# KiCad board PA24-1.kicad_pcb
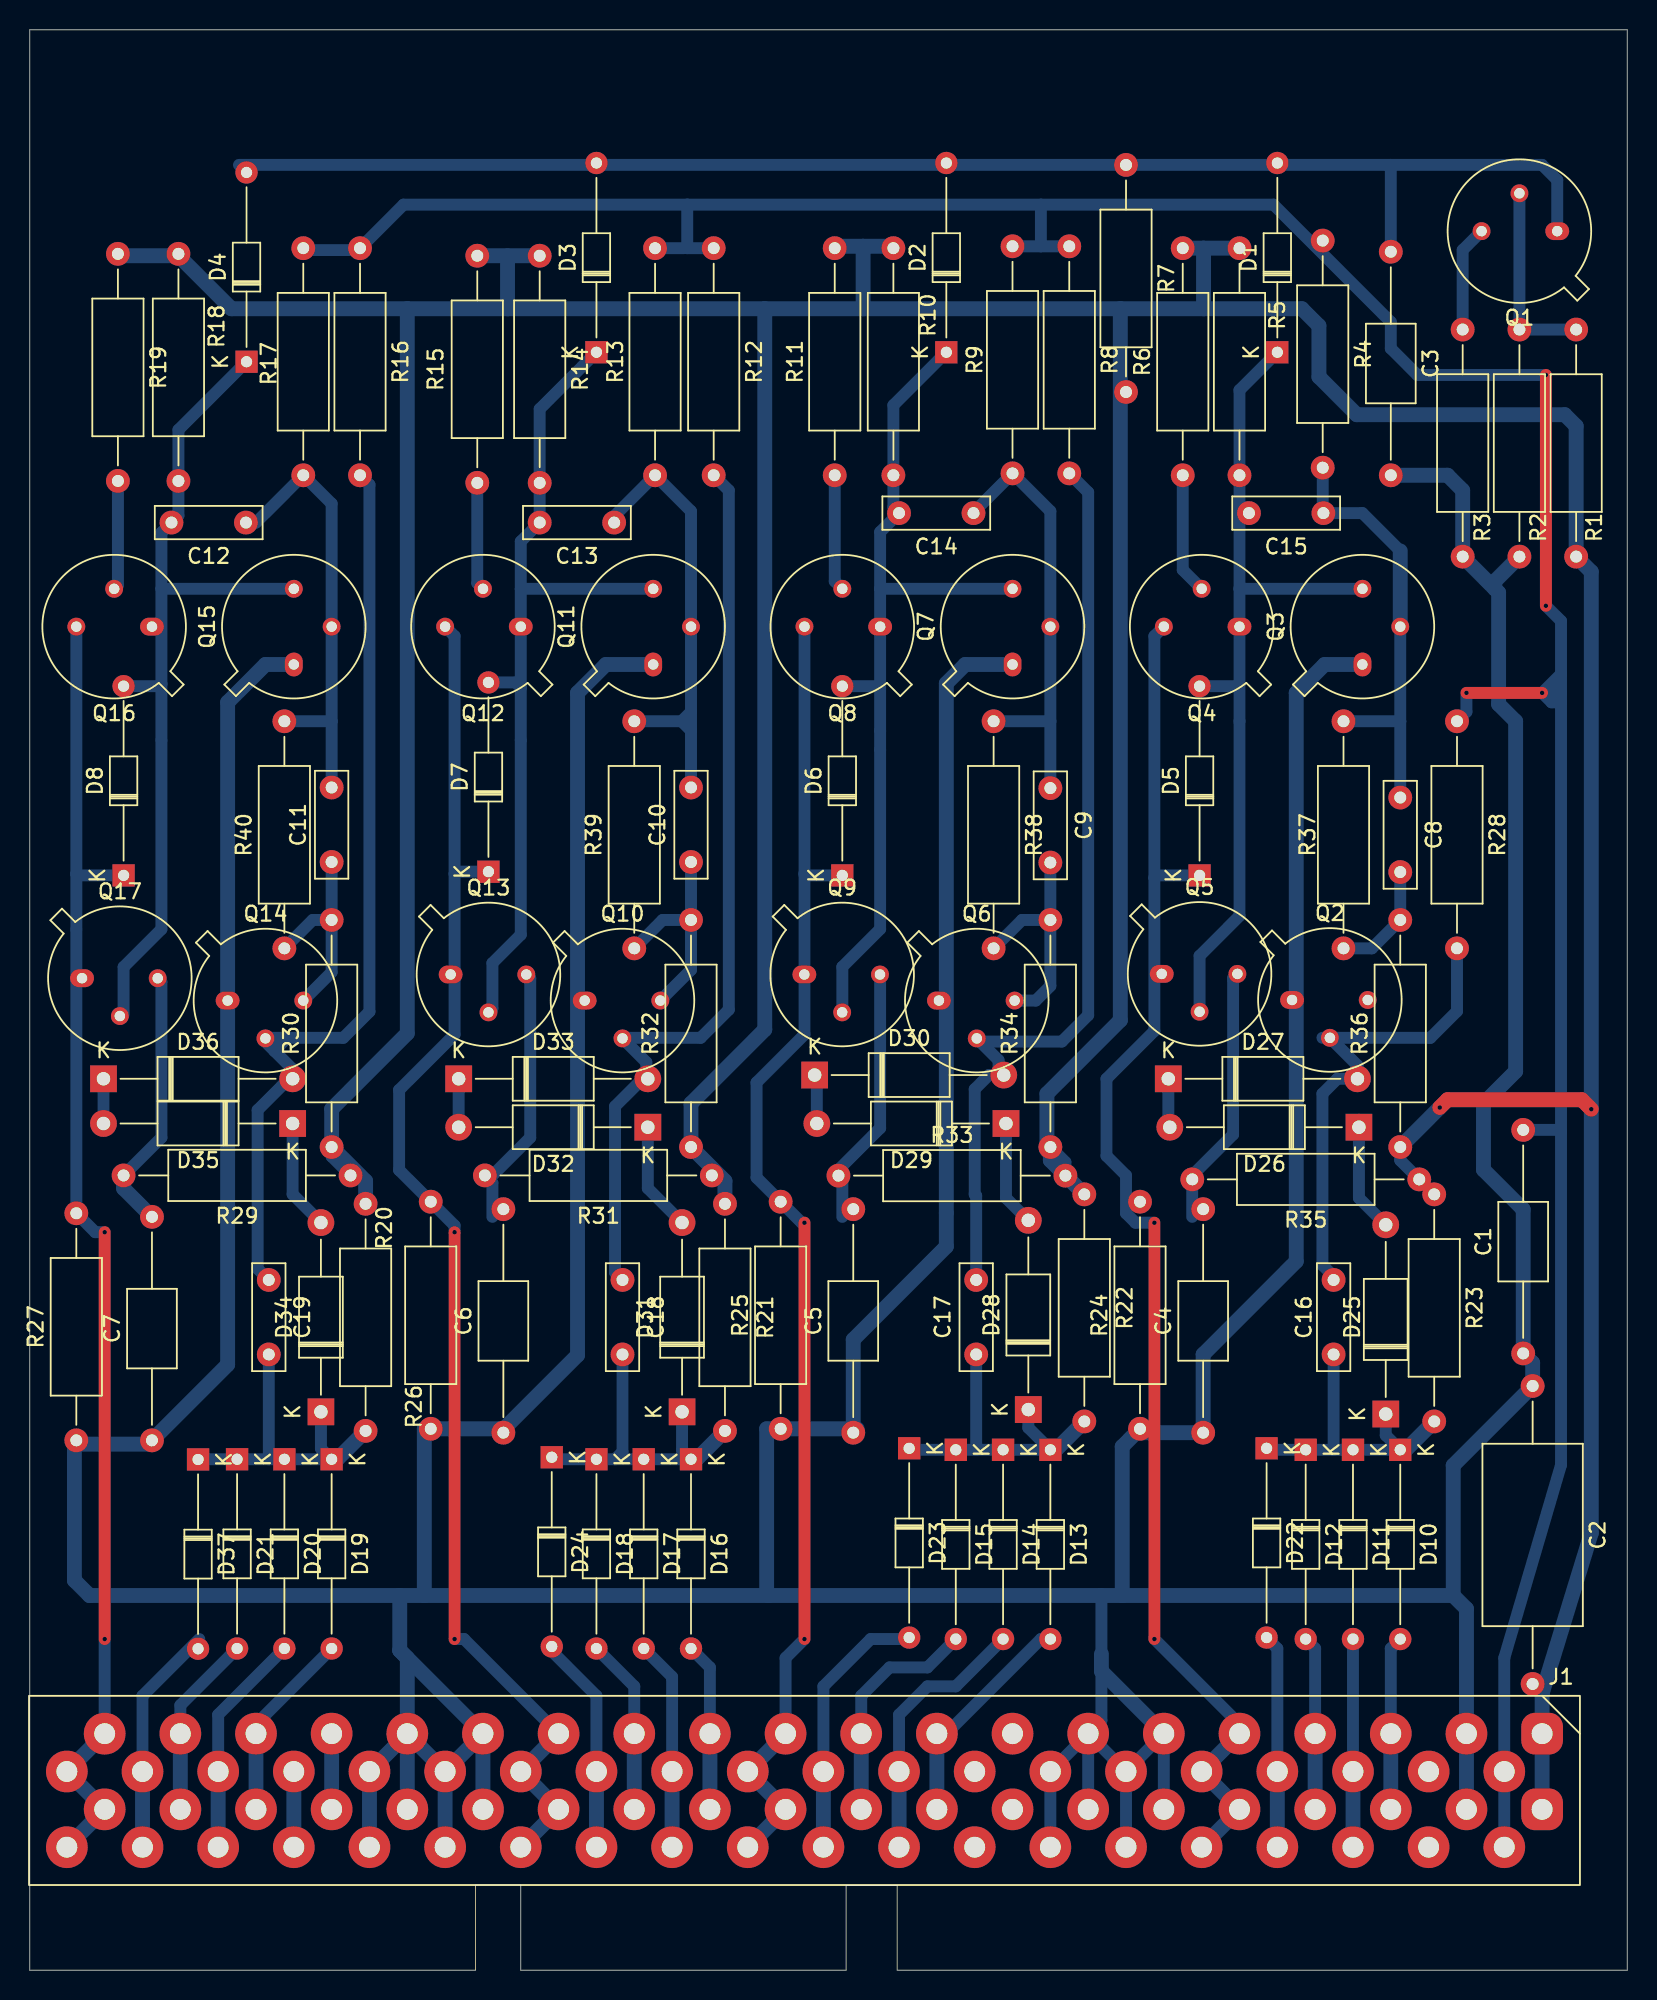
[diagram p0: board, top side]
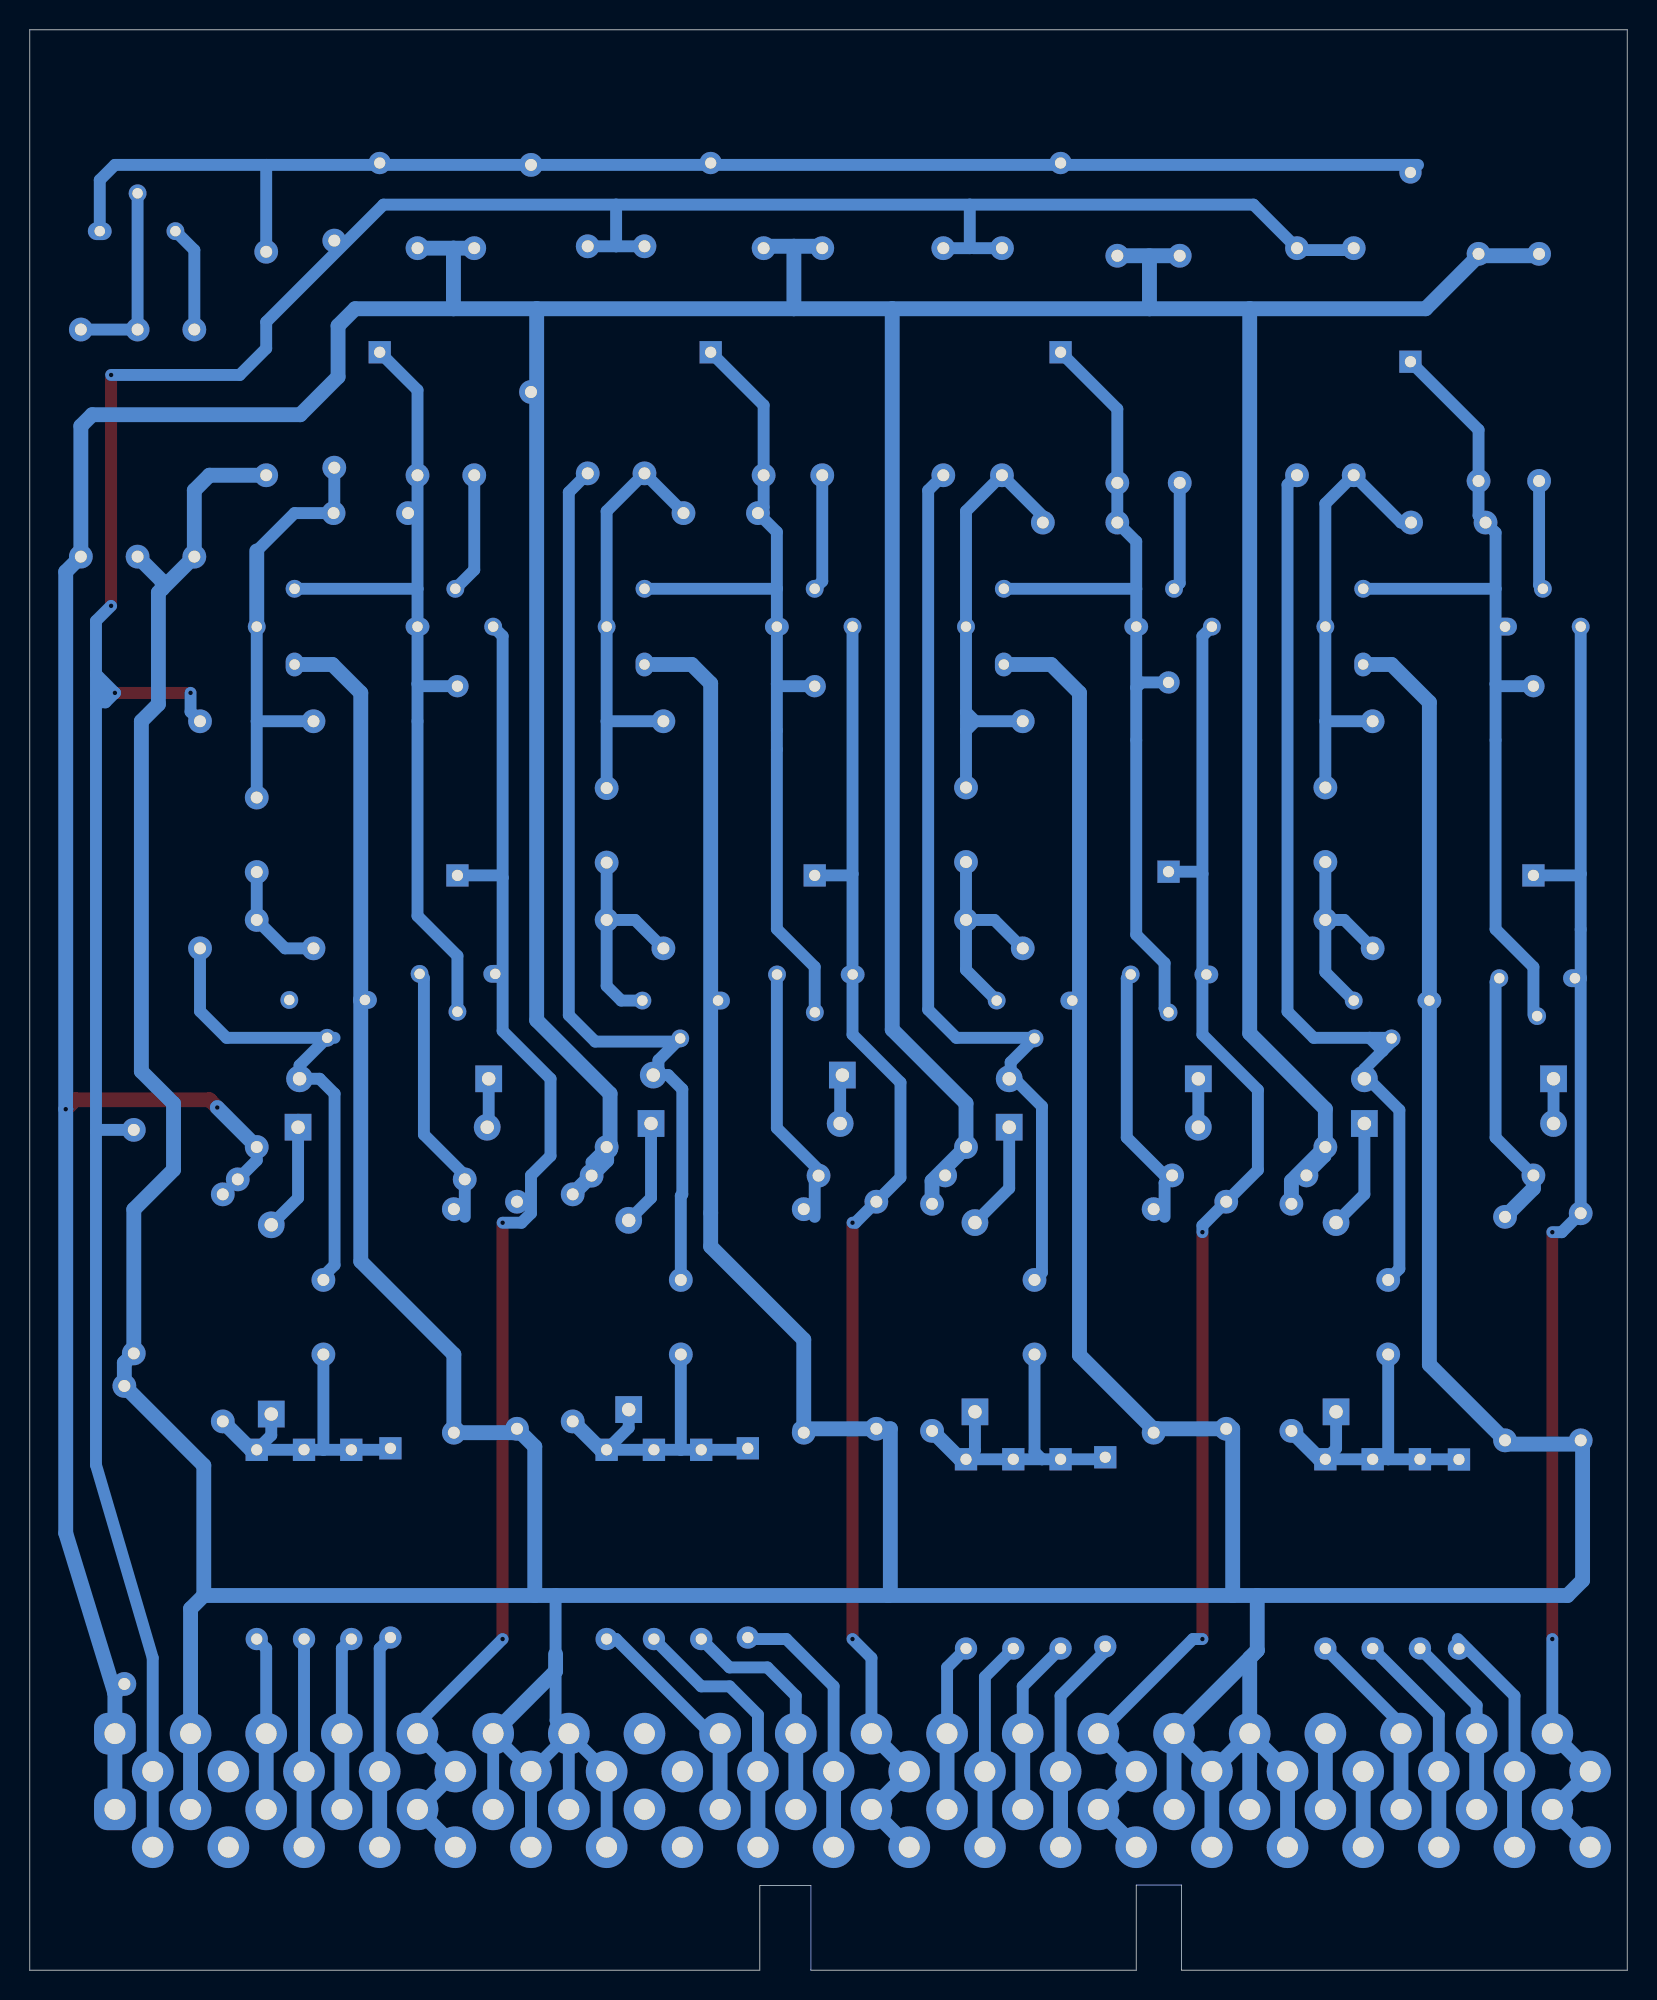
[diagram p1: board, bottom side, seen from below]

Outline 107.26 x 130.23 mm; copper layers: Top, Bottom. Coordinates in mm from the lower left corner of the outline.
Outline path: 0,130.23 107.26,130.23 107.26,0 58.24,0 58.24,5.68 54.81,5.68 54.81,0 32.97,0 32.97,5.71 29.92,5.71 29.92,0 0,0 0,130.23

## Placement (name value [footprint] x y rotation side)
C1  0.01u  [C_Axial_L5.1mm_D3.1mm_P15.00mm_Horizontal]  100.28 41.39 90 top
C2  C  [C_Axial_L12.0mm_D6.5mm_P20.00mm_Horizontal]  100.91 39.21 270 top
C3  0.01u  [C_Axial_L5.1mm_D3.1mm_P15.00mm_Horizontal]  91.39 115.33 270 top
C4  0.01u  [C_Axial_L5.1mm_D3.1mm_P15.00mm_Horizontal]  78.79 36.07 90 top
C5  0.01u  [C_Axial_L5.1mm_D3.1mm_P15.00mm_Horizontal]  55.29 36.07 90 top
C6  0.01u  [C_Axial_L5.1mm_D3.1mm_P15.00mm_Horizontal]  31.8 36.07 90 top
C7  0.01u  [C_Axial_L5.1mm_D3.1mm_P15.00mm_Horizontal]  8.2 35.56 90 top
C8  75p  [C_Rect_L7.0mm_W2.0mm_P5.00mm]  92.02 78.7 270 top
C9  75p  [C_Rect_L7.0mm_W2.0mm_P5.00mm]  68.53 79.33 270 top
C10  75p  [C_Rect_L7.0mm_W2.0mm_P5.00mm]  44.4 74.37 90 top
C11  75p  [C_Rect_L7.0mm_W2.0mm_P5.00mm]  20.27 74.37 90 top
C12  75p  [C_Rect_L7.0mm_W2.0mm_P5.00mm]  14.51 97.15 180 top
C13  75p  [C_Rect_L7.0mm_W2.0mm_P5.00mm]  39.24 97.15 180 top
C14  75p  [C_Rect_L7.0mm_W2.0mm_P5.00mm]  63.37 97.79 180 top
C15  75p  [C_Rect_L7.0mm_W2.0mm_P5.00mm]  86.86 97.79 180 top
C16  75p  [C_Rect_L7.0mm_W2.0mm_P5.00mm]  87.55 46.32 270 top
C17  75p  [C_Rect_L7.0mm_W2.0mm_P5.00mm]  63.55 46.32 270 top
C18  75p  [C_Rect_L7.0mm_W2.0mm_P5.00mm]  39.8 46.32 270 top
C19  75p  [C_Rect_L7.0mm_W2.0mm_P5.00mm]  16.05 46.32 270 top
D1  GER  [D_DO-34_SOD68_P12.70mm_Horizontal]  83.77 108.58 90 top
D2  GER  [D_DO-34_SOD68_P12.70mm_Horizontal]  61.54 108.58 90 top
D3  GER  [D_DO-34_SOD68_P12.70mm_Horizontal]  38.05 108.58 90 top
D4  GER  [D_DO-34_SOD68_P12.70mm_Horizontal]  14.55 107.95 90 top
D5  GER  [D_DO-34_SOD68_P12.70mm_Horizontal]  78.55 73.47 90 top
D6  GER  [D_DO-34_SOD68_P12.70mm_Horizontal]  54.56 73.47 90 top
D7  GER  [D_DO-34_SOD68_P12.70mm_Horizontal]  30.8 73.72 90 top
D8  GER  [D_DO-34_SOD68_P12.70mm_Horizontal]  6.3 73.47 90 top
D10  GER  [D_DO-34_SOD68_P12.70mm_Horizontal]  92.02 34.92 270 top
D11  GER  [D_DO-34_SOD68_P12.70mm_Horizontal]  88.85 34.92 270 top
D12  GER  [D_DO-34_SOD68_P12.70mm_Horizontal]  85.67 34.92 270 top
D13  GER  [D_DO-34_SOD68_P12.70mm_Horizontal]  68.53 34.92 270 top
D14  GER  [D_DO-34_SOD68_P12.70mm_Horizontal]  65.35 34.92 270 top
D15  GER  [D_DO-34_SOD68_P12.70mm_Horizontal]  62.18 34.92 270 top
D16  GER  [D_DO-34_SOD68_P12.70mm_Horizontal]  44.4 34.29 270 top
D17  GER  [D_DO-34_SOD68_P12.70mm_Horizontal]  41.22 34.29 270 top
D18  GER  [D_DO-34_SOD68_P12.70mm_Horizontal]  38.05 34.29 270 top
D19  GER  [D_DO-34_SOD68_P12.70mm_Horizontal]  20.27 34.29 270 top
D20  GER  [D_DO-34_SOD68_P12.70mm_Horizontal]  17.09 34.29 270 top
D21  GER  [D_DO-34_SOD68_P12.70mm_Horizontal]  13.92 34.29 270 top
D22  GER  [D_DO-34_SOD68_P12.70mm_Horizontal]  83.05 35.02 270 top
D23  GER  [D_DO-34_SOD68_P12.70mm_Horizontal]  59.05 35.02 270 top
D24  GER  [D_DO-34_SOD68_P12.70mm_Horizontal]  35.05 34.42 270 top
D25  1S1005  [D_A-405_P12.70mm_Horizontal]  91.05 37.32 90 top
D26  1S1005  [D_A-405_P12.70mm_Horizontal]  89.25 56.57 180 top
D27  1S1005  [D_A-405_P12.70mm_Horizontal]  76.45 59.82 0 top
D28  1S1005  [D_A-405_P12.70mm_Horizontal]  67.05 37.62 90 top
D29  1S1005  [D_A-405_P12.70mm_Horizontal]  65.55 56.82 180 top
D30  1S1005  [D_A-405_P12.70mm_Horizontal]  52.7 60.07 0 top
D31  1S1005  [D_A-405_P12.70mm_Horizontal]  43.8 37.47 90 top
D32  1S1005  [D_A-405_P12.70mm_Horizontal]  41.5 56.57 180 top
D33  1S1005  [D_A-405_P12.70mm_Horizontal]  28.8 59.82 0 top
D34  1S1005  [D_A-405_P12.70mm_Horizontal]  19.55 37.47 90 top
D35  1S1005  [D_A-405_P12.70mm_Horizontal]  17.65 56.82 180 top
D36  1S1005  [D_A-405_P12.70mm_Horizontal]  4.95 59.82 0 top
D37  GER  [D_DO-34_SOD68_P12.70mm_Horizontal]  11.3 34.27 270 top
J1  Conn_01x40  [ELCO 40]  101.55 15.88 0 top
Q1  1N1304  [TO-5-3]  102.57 116.71 180 top
Q2  PNP_G  [TO-5-3]  84.76 65.11 0 top
Q3  NPN?  [TO-5-3]  89.48 87.63 90 top
Q4  PNP_G  [TO-5-3]  81.23 90.17 180 top
Q5  NPN?  [TO-5-3]  76.01 66.86 0 top
Q6  PNP_G  [TO-5-3]  61.05 65.07 0 top
Q7  NPN?  [TO-5-3]  65.99 87.63 90 top
Q8  PNP_G  [TO-5-3]  57.1 90.17 180 top
Q9  NPN?  [TO-5-3]  52.01 66.82 0 top
Q10  PNP_G  [TO-5-3]  37.26 65.07 0 top
Q11  NPN?  [TO-5-3]  41.86 87.63 90 top
Q12  PNP_G  [TO-5-3]  32.97 90.17 180 top
Q13  NPN?  [TO-5-3]  28.26 66.82 0 top
Q14  PNP_G  [TO-5-3]  13.28 65.07 0 top
Q15  NPN?  [TO-5-3]  17.73 87.63 90 top
Q16  PNP_G  [TO-5-3]  8.2 90.17 180 top
Q17  NPN?  [TO-5-3]  3.51 66.57 0 top
R1  1k  [R_Axial_DIN0309_L9.0mm_D3.2mm_P15.24mm_Horizontal]  103.84 110.11 270 top
R2  3.3k  [R_Axial_DIN0309_L9.0mm_D3.2mm_P15.24mm_Horizontal]  100.03 110.11 270 top
R3  330  [R_Axial_DIN0309_L9.0mm_D3.2mm_P15.24mm_Horizontal]  96.22 94.87 90 top
R4  10k  [R_Axial_DIN0309_L9.0mm_D3.2mm_P15.24mm_Horizontal]  86.82 116.08 270 top
R5  680  [R_Axial_DIN0309_L9.0mm_D3.2mm_P15.24mm_Horizontal]  81.23 115.57 270 top
R6  2k  [R_Axial_DIN0309_L9.0mm_D3.2mm_P15.24mm_Horizontal]  77.42 100.33 90 top
R7  39k  [R_Axial_DIN0309_L9.0mm_D3.2mm_P15.24mm_Horizontal]  73.61 121.16 270 top
R8  18k  [R_Axial_DIN0309_L9.0mm_D3.2mm_P15.24mm_Horizontal]  69.8 115.7 270 top
R9  10k  [R_Axial_DIN0309_L9.0mm_D3.2mm_P15.24mm_Horizontal]  65.99 115.7 270 top
R10  680  [R_Axial_DIN0309_L9.0mm_D3.2mm_P15.24mm_Horizontal]  57.99 115.57 270 top
R11  2k  [R_Axial_DIN0309_L9.0mm_D3.2mm_P15.24mm_Horizontal]  54.05 115.57 270 top
R12  18k  [R_Axial_DIN0309_L9.0mm_D3.2mm_P15.24mm_Horizontal]  45.92 115.57 270 top
R13  10k  [R_Axial_DIN0309_L9.0mm_D3.2mm_P15.24mm_Horizontal]  41.99 115.57 270 top
R14  680  [R_Axial_DIN0309_L9.0mm_D3.2mm_P15.24mm_Horizontal]  34.24 115.06 270 top
R15  2k  [R_Axial_DIN0309_L9.0mm_D3.2mm_P15.24mm_Horizontal]  30.05 115.06 270 top
R16  18k  [R_Axial_DIN0309_L9.0mm_D3.2mm_P15.24mm_Horizontal]  22.17 115.57 270 top
R17  10k  [R_Axial_DIN0309_L9.0mm_D3.2mm_P15.24mm_Horizontal]  18.36 115.57 270 top
R18  680  [R_Axial_DIN0309_L9.0mm_D3.2mm_P15.24mm_Horizontal]  9.98 115.19 270 top
R19  2k  [R_Axial_DIN0309_L9.0mm_D3.2mm_P15.24mm_Horizontal]  5.92 115.19 270 top
R20  5.1k  [R_Axial_DIN0309_L9.0mm_D3.2mm_P15.24mm_Horizontal]  22.55 51.43 270 top
R21  5.1k  [R_Axial_DIN0309_L9.0mm_D3.2mm_P15.24mm_Horizontal]  46.68 51.43 270 top
R22  5.1k  [R_Axial_DIN0309_L9.0mm_D3.2mm_P15.24mm_Horizontal]  70.81 52.07 270 top
R23  5.1k  [R_Axial_DIN0309_L9.0mm_D3.2mm_P15.24mm_Horizontal]  94.3 52.07 270 top
R24  1k  [R_Axial_DIN0309_L9.0mm_D3.2mm_P15.24mm_Horizontal]  74.55 36.33 90 top
R25  1k  [R_Axial_DIN0309_L9.0mm_D3.2mm_P15.24mm_Horizontal]  50.42 36.33 90 top
R26  1k  [R_Axial_DIN0309_L9.0mm_D3.2mm_P15.24mm_Horizontal]  26.92 36.33 90 top
R27  1k  [R_Axial_DIN0309_L9.0mm_D3.2mm_P15.24mm_Horizontal]  3.12 35.56 90 top
R28  18k  [R_Axial_DIN0309_L9.0mm_D3.2mm_P15.24mm_Horizontal]  95.83 83.82 270 top
R29  22  [R_Axial_DIN0309_L9.0mm_D3.2mm_P15.24mm_Horizontal]  21.54 53.34 180 top
R30  1k  [R_Axial_DIN0309_L9.0mm_D3.2mm_P15.24mm_Horizontal]  20.27 55.24 90 top
R31  22  [R_Axial_DIN0309_L9.0mm_D3.2mm_P15.24mm_Horizontal]  45.8 53.34 180 top
R32  1k  [R_Axial_DIN0309_L9.0mm_D3.2mm_P15.24mm_Horizontal]  44.4 55.24 90 top
R33  22  [R_Axial_DIN0309_L9.0mm_D3.2mm_P15.24mm_Horizontal]  54.3 53.32 0 top
R34  1k  [R_Axial_DIN0309_L9.0mm_D3.2mm_P15.24mm_Horizontal]  68.53 55.24 90 top
R35  22  [R_Axial_DIN0309_L9.0mm_D3.2mm_P15.24mm_Horizontal]  93.3 53.07 180 top
R36  1k  [R_Axial_DIN0309_L9.0mm_D3.2mm_P15.24mm_Horizontal]  92.02 55.24 90 top
R37  1k  [R_Axial_DIN0309_L9.0mm_D3.2mm_P15.24mm_Horizontal]  88.21 83.82 270 top
R38  1k  [R_Axial_DIN0309_L9.0mm_D3.2mm_P15.24mm_Horizontal]  64.72 83.82 270 top
R39  1k  [R_Axial_DIN0309_L9.0mm_D3.2mm_P15.24mm_Horizontal]  40.59 68.58 90 top
R40  1k  [R_Axial_DIN0309_L9.0mm_D3.2mm_P15.24mm_Horizontal]  17.09 68.58 90 top

## Library data of the parts
C1-C19 = -: Description: Unpolarized capacitor; ki_fp_filters: C_*
D1-D8 D10-D24 D37 = -: Datasheet: https://assets.nexperia.com/documents/data-sheet/1N4148_1N4448.pdf; Description: 100V 0.15A standard switching diode, DO-35; Sim.Device: D; Sim.Pins: 1=K 2=A; ki_fp_filters: D*DO?35*
D25-D36 = -: Description: Diode, small symbol; Sim.Device: D; Sim.Pins: 1=K 2=A; ki_fp_filters: TO-???* *_Diode_* *SingleDiode* D_*
J1 = -: Description: Generic connector, single row, 01x40, script generated (kicad-library-utils/schlib/autogen/connector/); ki_fp_filters: Connector*:*_1x??_*
Q1 = -: Description: NPN transistor, emitter/base/collector
Q2 Q4 Q6 Q8 Q10 Q12 Q14 Q16 = -: Description: PNP transistor, emitter/base/collector
Q3 Q5 Q7 Q9 Q11 Q13 Q15 Q17 = -: Description: NPN transistor, collector/base/emitter
R1-R40 = -: Description: Resistor; ki_fp_filters: R_*

## Footprints (pads in the part's own frame, mm; a bottom-side part is the same pattern mirrored in y, then rotated)
C_Axial_L5.1mm_D3.1mm_P15.00mm_Horizontal
  round 1.6 hole 0.8: 1(0,0) 2(15,0)
C_Axial_L12.0mm_D6.5mm_P20.00mm_Horizontal
  round 1.6 hole 0.8: 1(0,0) 2(20,0)
C_Rect_L7.0mm_W2.0mm_P5.00mm
  round 1.6 hole 0.8: 1(0,0) 2(5,0)
D_A-405_P12.70mm_Horizontal
  rect 1.8x1.8 hole 0.9: 1(0,0)
  oval 1.8x1.8 hole 0.9: 2(12.7,0)
D_DO-34_SOD68_P12.70mm_Horizontal
  rect 1.5x1.5 hole 0.75: 1(0,0)
  oval 1.5x1.5 hole 0.75: 2(12.7,0)
ELCO 40
  rrect 2.8x2.8 hole 1.4: 1(0,0) 1(0,-5.08)
  round 2.8 hole 1.4: 2(-2.54,-2.54) 2(-2.54,-7.62) 3(-5.08,0) 3(-5.08,-5.08) 4(-7.62,-2.54) 4(-7.62,-7.62) 5(-10.16,0) 5(-10.16,-5.08) 6(-12.7,-2.54) 6(-12.7,-7.62) 7(-15.24,0) 7(-15.24,-5.08) 8(-17.78,-2.54) 8(-17.78,-7.62) 9(-20.32,0) 9(-20.32,-5.08) 10(-22.86,-2.54) 10(-22.86,-7.62) 11(-25.4,0) 11(-25.4,-5.08) 12(-27.94,-2.54) 12(-27.94,-7.62) 13(-30.48,0) 13(-30.48,-5.08) 14(-33.02,-2.54) 14(-33.02,-7.62) 15(-35.56,0) 15(-35.56,-5.08) 16(-38.1,-2.54) 16(-38.1,-7.62) 17(-40.64,0) 17(-40.64,-5.08) 18(-43.18,-2.54) 18(-43.18,-7.62) 19(-45.72,0) 19(-45.72,-5.08) 20(-48.26,-2.54) 20(-48.26,-7.62) 21(-50.8,0) 21(-50.8,-5.08) 22(-53.34,-2.54) 22(-53.34,-7.62) 23(-55.88,0) 23(-55.88,-5.08) 24(-58.42,-2.54) 24(-58.42,-7.62) 25(-60.96,0) 25(-60.96,-5.08) 26(-63.5,-2.54) 26(-63.5,-7.62) 27(-66.04,0) 27(-66.04,-5.08) 28(-68.58,-2.54) 28(-68.58,-7.62) 29(-71.12,0) 29(-71.12,-5.08) 30(-73.66,-2.54) 30(-73.66,-7.62) 31(-76.2,0) 31(-76.2,-5.08) 32(-78.74,-2.54) 32(-78.74,-7.62) 33(-81.28,0) 33(-81.28,-5.08) 34(-83.82,-2.54) 34(-83.82,-7.62) 35(-86.36,0) 35(-86.36,-5.08) 36(-88.9,-2.54) 36(-88.9,-7.62) 37(-91.44,0) 37(-91.44,-5.08) 38(-93.98,-2.54) 38(-93.98,-7.62) 39(-96.52,0) 39(-96.52,-5.08) 40(-99.06,-2.54) 40(-99.06,-7.62)
R_Axial_DIN0309_L9.0mm_D3.2mm_P15.24mm_Horizontal
  round 1.6 hole 0.8: 1(0,0)
  oval 1.6x1.6 hole 0.8: 2(15.24,0)
TO-5-3
  oval 1.6x1.2 hole 0.7: 1(0,0)
  round 1.2 hole 0.7: 2(2.54,-2.54) 3(5.08,0)

## Nets
+6V: C1.2 J1.2 R4.1 R8.1 R9.1 R12.1 R13.1 R16.1 R17.1 R28.1
-9V: C3.1 D1.2 D2.2 D3.2 D4.2 Q1.1 R7.1
-12V: C2.2 J1.1 R1.2 R5.1 R6.2 R7.2 R10.1 R11.1 R14.1 R15.1 R18.1 R19.1 R20.1 R21.1 R22.1 R23.1 R29.1 R30.1 R31.1 R32.1 R33.2 R34.1 R35.1 R36.1
/-9.1V: Q1.2 R1.1 R2.1
GND: C1.1 C2.1 C3.2 C4.1 C5.1 C6.1 C7.1 J1.3 J1.11 J1.12 J1.13 J1.14 J1.29 J1.30 J1.31 J1.32 Q2.1 Q3.1 Q6.1 Q7.1 Q10.1 Q11.1 Q14.1 Q15.1 R2.2 R3.1 R24.1 R25.1 R26.1 R27.1
P5: D10.2 J1.5
P6: D11.2 J1.6
P7: D12.2 J1.7
P8: D22.2 J1.8
P9,10: D5.1 J1.9 J1.10 Q4.3 Q5.1 R24.2
P17: D13.2 J1.17
P18: D14.2 J1.18
P19: D15.2 J1.19
P20: D23.2 J1.20
P21,22: D6.1 J1.21 J1.22 Q8.3 Q9.1 R25.2
P23: D16.2 J1.23
P24: D17.2 J1.24
P25: D18.2 J1.25
P26: D24.2 J1.26
P27,28: D7.1 J1.27 J1.28 Q12.3 Q13.1 R26.2
P35: D19.2 J1.35
P36: D20.2 J1.36
P37: D21.2 J1.37
P38: D37.2 J1.38
P39,40: D8.1 J1.39 J1.40 Q16.3 Q17.1 R27.2
Net-(D1-K): C15.2 D1.1 D5.2 Q3.3 Q4.1 Q5.2 R5.2
Net-(D2-K): C14.2 D2.1 D6.2 Q7.3 Q8.1 Q9.2 R10.2
Net-(D3-K): C13.2 D3.1 D7.2 Q11.3 Q12.1 Q13.2 R14.2
Net-(D4-K): C12.2 D4.1 D8.2 Q15.3 Q16.1 Q17.2 R18.2
Net-(D10-K): C16.2 D10.1 D11.1 D12.1 D22.1 D25.1 R23.2
Net-(D13-K): C17.2 D13.1 D14.1 D15.1 D23.1 D28.1 R22.2
Net-(D16-K): C18.2 D16.1 D17.1 D18.1 D24.1 D31.1 R21.2
Net-(D19-K): C19.2 D19.1 D20.1 D21.1 D34.1 D37.1 R20.2
Net-(D25-A): D25.2 D26.1
Net-(D26-A): D26.2 D27.1
Net-(D27-A): C16.1 D27.2 Q2.2 R28.2
Net-(D28-A): D28.2 D29.1
Net-(D29-A): D29.2 D30.1
Net-(D30-A): C17.1 D30.2 Q6.2 R8.2
Net-(D31-A): D31.2 D32.1
Net-(D32-A): D32.2 D33.1
Net-(D33-A): C18.1 D33.2 Q10.2 R12.2
Net-(D34-A): D34.2 D35.1
Net-(D35-A): D35.2 D36.1
Net-(D36-A): C19.1 D36.2 Q14.2 R16.2
Net-(Q1-C): Q1.3 R3.2
Net-(Q2-C): C8.2 Q2.3 R36.2 R37.2
Net-(Q3-B): C8.1 C15.1 Q3.2 R4.2 R37.1
Net-(Q4-B): Q4.2 R6.1
Net-(Q5-E): C4.2 Q5.3 R35.2
Net-(Q6-C): C9.2 Q6.3 R34.2 R38.2
Net-(Q7-B): C9.1 C14.1 Q7.2 R9.2 R38.1
Net-(Q8-B): Q8.2 R11.2
Net-(Q9-E): C5.2 Q9.3 R33.1
Net-(Q10-C): C10.1 Q10.3 R32.2 R39.1
Net-(Q11-B): C10.2 C13.1 Q11.2 R13.2 R39.2
Net-(Q12-B): Q12.2 R15.2
Net-(Q13-E): C6.2 Q13.3 R31.2
Net-(Q14-C): C11.1 Q14.3 R30.2 R40.1
Net-(Q15-B): C11.2 C12.1 Q15.2 R17.2 R40.2
Net-(Q16-B): Q16.2 R19.2
Net-(Q17-E): C7.2 Q17.3 R29.2

Pads without a net: J1 4 15 16 33 34

## Via types
v1: diameter 0.6, hole 0.3, Top to Bottom, 14 vias

## Routing (per net, layer and track width the routed paths; a pad name or vN(x,y) marks a point on that pad's centre or on a via; arc(x,y) is an arc through that point)
+6V: length 217.8
  Top w0.8: v1(101.8,91.57) v1(101.8,107.06) ; v1(101.55,85.72) v1(96.47,85.72)
  Bottom w0.8: v1(101.55,85.72) 102.82,86.99 ; v1(101.55,85.72) 102.82,85.72 ; v1(101.55,85.72) 102.18,85.09 102.82,85.09 ; 102.82,86.99 102.82,90.55 v1(101.8,91.57) ; 102.82,86.99 102.82,85.72 ; 102.82,85.72 102.82,85.09 ; v1(101.8,107.06) 93.17,107.06 91.39,108.84 91.39,110.62 83.52,118.49 67.89,118.49 ; v1(96.47,85.72) 96.47,84.45 R28.1 ; 67.89,118.49 67.89,115.7 ; 67.89,118.49 44.15,118.49 ; 67.89,115.7 69.67,115.7 ; 67.89,115.7 66.12,115.7 ; 44.15,118.49 25.1,118.49 22.05,115.44 18.24,115.44 ; 44.15,118.49 44.15,115.57 R12.1 ; C1.2 102.69,56.39 102.82,56.26 ; 102.82,56.26 102.82,85.09 ; 102.82,56.26 102.82,33.91 99.01,20.95 J1.2 J1.2 ; 43.89,115.57 R13.1
-9V: length 98.2
  Bottom w0.8: 91.39,121.16 14.05,121.16 ; 91.39,121.16 101.55,121.16 102.57,120.14 Q1.1 ; 91.39,121.16 C3.1
-12V: length 435.9
  Top w1: v1(104.85,57.78) 104.22,58.42 95.2,58.42 v1(94.68,57.9)
  Bottom w0.8: R31.1 45.8,53.84 R32.1 ; R33.2 69.54,54.23 R34.1 ; R35.1 92.02,54.35 R36.1 ; R29.1 20.27,54.61 R30.1
  Bottom w1: 55.96,115.7 57.99,115.7 ; 55.96,115.7 55.96,111.51 ; 55.96,115.7 54.31,115.7 ; 101.55,18.57 C2.2 ; 101.55,18.57 104.85,29.34 v1(104.85,57.78) 104.85,93.85 R1.2 103.84,103.63 103.07,104.39 89.1,104.39 86.56,106.93 86.56,110.36 85.42,111.51 78.82,111.51 ; 101.55,18.57 J1.1 J1.1 ; 78.82,111.51 78.82,115.57 ; 78.82,111.51 73.23,111.51 ; 78.82,115.57 R5.1 ; 78.82,115.57 R6.2 ; v1(94.68,57.9) R36.1 ; R20.1 22.55,52.96 R30.1 20.27,57.79 25.35,62.87 25.35,111.51 ; 32.08,111.51 32.08,115.06 ; 32.08,111.51 49.35,111.51 ; 32.08,111.51 25.35,111.51 ; 25.35,111.51 13.54,111.51 9.98,115.06 5.92,115.06 ; 73.23,111.51 73.23,63.75 68.3,58.82 68.3,55.03 68.53,54.8 68.53,54.35 R22.1 ; 73.23,111.51 55.96,111.51 ; 55.96,111.51 49.35,111.51 ; 49.35,111.51 49.35,63.13 44.4,58.17 R32.1 46.68,52.96 R21.1 ; R15.1 R14.1
/-9.1V: length 13
  Bottom w0.8: Q1.2 R2.1 R1.1
GND: length 585.9
  Bottom w0.8: J1.12 J1.11 J1.11 ; J1.12 J1.12 ; J1.12 J1.13 ; J1.13 J1.14 J1.14 ; J1.13 J1.13 ; J1.13 71.96,16.76 71.96,25.15
  Bottom w1: J1.32 J1.32 J1.31 ; 26.49,25.15 26.49,36.33 31.54,36.33 C6.1 31.8,36.29 36.78,41.27 36.78,85.72 38.68,87.63 Q11.1 ; 26.49,25.15 49.61,25.15 ; 26.49,25.15 24.84,25.15 ; 49.61,25.15 49.48,25.27 49.48,36.33 55.55,36.33 ; 49.61,25.15 73.36,25.15 ; C7.1 13.28,40.64 13.28,85.09 15.82,87.63 Q15.1 ; 95.58,25.15 73.36,25.15 ; 95.58,25.15 95.58,33.88 C2.1 100.91,40.76 C1.1 100.28,51.05 97.61,53.72 97.61,58.17 99.77,60.32 99.77,83.82 98.63,84.96 98.63,92.46 98.37,92.71 ; 95.58,25.15 96.47,24.26 J1.3 J1.3 ; 73.36,25.15 73.36,35.14 R24.1 74.81,36.07 C4.1 78.79,41.32 85.04,47.57 85.04,85.72 86.94,87.63 Q3.1 ; 98.37,92.71 R3.1 96.22,99.31 95.2,100.33 C3.2 ; 98.37,92.71 98.37,93.22 R2.2 ; J1.30 J1.31 ; J1.30 J1.30 ; J1.30 J1.29 ; J1.31 J1.31 ; J1.31 25.35,20.95 24.84,21.46 ; J1.29 24.84,21.46 ; J1.29 J1.29 ; 24.84,21.46 24.84,25.15 ; J1.11 71.96,20.07 71.96,21.21 ; 24.84,25.15 4.01,25.15 3,26.16 3,35.31 8.2,35.31 ; C5.1 55.29,42.32 61.54,48.57 61.54,86.36 62.81,87.63 65.35,87.63
P5: length 11.7
  Bottom w0.8: J1.5 91.39,21.59 D10.2
  Bottom w1: J1.5 J1.5
P6: length 14
  Bottom w0.8: J1.6 D11.2
  Bottom w1: J1.6 J1.6
P7: length 11.7
  Bottom w0.8: J1.7 86.31,21.59 D12.2
  Bottom w1: J1.7 J1.7
P8: length 14.2
  Bottom w0.8: J1.8 83.77,21.59 83.13,22.22
  Bottom w1: J1.8 J1.8
P9,10: length 94.2
  Top w0.8: v1(75.51,22.22) v1(75.51,50.16)
  Bottom w0.8: 75.51,73.32 75.66,73.47 D5.1 ; 75.51,73.32 75.51,89.53 Q4.3 ; 75.51,73.32 75.51,63.04 72.3,59.82 72.3,54.65 73.61,53.34 73.61,50.8 74.24,50.16 v1(75.51,50.16) ; J1.9 81.23,16.51 v1(75.51,22.22)
  Bottom w1: J1.10 J1.9 J1.10 J1.9
P17: length 15.3
  Bottom w0.8: J1.17 61.54,15.88 67.89,22.22 D13.2
  Bottom w1: J1.17 J1.17
P18: length 18
  Bottom w0.8: D14.2 62.18,19.05 60.27,19.05 58.37,17.14 J1.18
  Bottom w1: J1.18 J1.18
P19: length 15.5
  Bottom w0.8: J1.19 55.83,18.41 57.73,20.32 60.27,20.32 D15.2
  Bottom w1: J1.19 J1.19
P20: length 17.8
  Bottom w0.8: J1.20 53.29,19.05 56.46,22.22 59,22.22
  Bottom w1: J1.20 J1.20
P21,22: length 91
  Top w0.8: v1(52.02,22.22) v1(52.02,50.16)
  Bottom w0.8: J1.21 50.75,20.95 v1(52.02,22.22) ; Q8.3 52.02,73.57 ; 52.02,73.57 52.02,62.79 48.8,59.57 48.8,53.19 51.83,50.16 v1(52.02,50.16) ; 52.02,73.57 52.12,73.47 D6.1
  Bottom w1: J1.21 J1.22 J1.21 J1.22
P23: length 11.3
  Bottom w0.8: J1.23 45.67,20.32 D16.2
  Bottom w1: J1.23 J1.23
P24: length 14.1
  Bottom w0.8: D17.2 43.13,19.69 J1.24
  Bottom w1: J1.24 J1.24
P25: length 11.8
  Bottom w0.8: J1.25 40.59,19.05 D18.2
  Bottom w1: J1.25 J1.25
P26: length 14.7
  Bottom w0.8: J1.26 38.05,18.41 34.87,21.59
  Bottom w1: J1.26 J1.26
P27,28: length 94
  Top w0.8: v1(28.52,22.22) v1(28.52,49.53)
  Bottom w0.8: J1.27 29.16,22.22 v1(28.52,22.22) ; 28.52,73.57 28.52,89.53 Q12.3 ; 28.52,73.57 28.52,62.8 24.8,59.07 24.8,53.7 28.52,49.97 v1(28.52,49.53) ; 28.52,73.57 28.67,73.72 D7.1
  Bottom w1: J1.28 J1.27 J1.28 J1.27
P35: length 12.9
  Bottom w0.8: D19.2 15.19,16.51 J1.35
  Bottom w1: J1.35 J1.35
P36: length 15.2
  Bottom w0.8: J1.36 12.65,17.14 D20.2
  Bottom w1: J1.36 J1.36
P37: length 12.4
  Bottom w0.8: D21.2 10.11,17.78 J1.37
  Bottom w1: J1.37 J1.37
P38: length 15.5
  Bottom w0.8: J1.38 7.57,18.41 11.38,22.22
  Bottom w1: J1.38 J1.38
P39,40: length 89.4
  Top w0.8: v1(5.03,22.22) v1(5.03,49.53)
  Bottom w0.8: D8.1 3.22,73.47 3.12,73.57 ; Q16.3 3.12,73.57 ; 3.12,73.57 R27.2 4.39,49.53 v1(5.03,49.53) ; J1.39 v1(5.03,22.22)
  Bottom w1: J1.40 J1.39 J1.40 J1.39
Net-(D1-K): length 57.4
  Bottom w0.8: 81.23,92.71 81.23,106.04 D1.1 ; 81.23,92.71 81.23,86.32 ; 81.23,92.71 Q3.3 ; 81.23,86.32 81.23,70.75 78.55,68.07 Q5.2 ; 81.23,86.32 81.08,86.17 D5.2
Net-(D2-K): length 59
  Bottom w0.8: 57.1,92.71 57.1,86.32 ; 57.1,92.71 57.1,96.52 C14.2 57.99,98.17 57.99,105.03 D2.1 ; 57.1,92.71 Q7.3 ; 57.1,86.32 56.95,86.17 D6.2 ; 57.1,86.32 57.1,69.87 54.56,67.33 54.56,64.29 Q9.2
Net-(D3-K): length 58.5
  Bottom w0.8: 32.97,86.07 32.97,92.71 ; 32.97,86.07 32.62,86.42 D7.2 ; 32.97,86.07 32.97,69.49 31.06,67.59 31.06,64.55 Q13.2 ; 32.97,92.71 Q11.3 ; 32.97,92.71 32.97,95.88 C13.2 R14.2 34.24,104.77 D3.1
Net-(D4-K): length 58.7
  Bottom w0.8: D8.2 8.69,86.17 8.84,86.32 ; 6.3,64.13 6.3,67.32 8.84,69.86 8.84,86.32 ; 8.84,86.32 8.84,92.71 ; 8.84,92.71 Q15.3 ; 8.84,92.71 8.84,96.48 C12.2 9.98,97.62 R18.2 9.98,103.38 D4.1
Net-(D10-K): length 21.2
  Bottom w0.8: D25.1 91.05,35.9 D10.1 87.55,34.92 ; 87.55,34.92 83.13,34.92 ; 87.55,34.92 C16.2
  Bottom w1: R23.2 92.4,34.92 D10.1
Net-(D13-K): length 22.3
  Bottom w0.8: 63.55,34.92 D13.1 67.05,36.4 D28.1 ; 63.55,34.92 C17.2 ; 63.55,34.92 59,34.92
  Bottom w1: D13.1 68.9,34.92 R22.2
Net-(D16-K): length 23.3
  Bottom w0.8: C18.2 39.8,34.79 39.3,34.29 ; D31.1 43.8,34.89 D16.1 39.3,34.29 ; 39.3,34.29 34.87,34.29
  Bottom w1: R21.2 44.77,34.29 D16.1
Net-(D19-K): length 22.5
  Bottom w0.8: C19.2 16.05,34.29 ; 16.05,34.29 11.38,34.29 ; 16.05,34.29 D19.1 19.55,35.01 D34.1
  Bottom w1: D19.1 20.64,34.29 R20.2
Net-(D25-A): length 7.8
  Bottom w0.8: D25.2 89.25,51.82 89.25,57.07
Net-(D26-A): length 3.3
  Bottom w0.8: D27.1 76.45,57.17 76.55,57.07 D26.2
Net-(D27-A): length 32.5
  Bottom w0.8: 87.3,46.82 86.8,47.32 86.8,58.82 87.8,59.82 D27.2 89.15,60.72 Q2.2 ; 86.8,62.57 94.05,62.57 95.83,64.36 95.83,68.58
Net-(D28-A): length 7.1
  Bottom w0.8: D28.2 65.55,51.82 D29.1
Net-(D29-A): length 3.3
  Bottom w0.8: D30.1 52.85,59.92 D29.2
Net-(D30-A): length 63.8
  Bottom w0.8: Q6.2 65.05,61.07 65.05,60.42 D30.2 64.4,60.07 63.45,59.12 63.45,52.07 63.55,51.97 C17.1 ; Q6.2 63.45,62.39 ; Q6.2 63.8,62.32 69.3,62.32 71.07,64.09 71.07,99.19 R8.2
Net-(D31-A): length 7.4
  Bottom w0.8: D32.1 41.5,52.47 D31.2
Net-(D32-A): length 3.2
  Bottom w0.8: D32.2 D33.1
Net-(D33-A): length 62.5
  Bottom w0.8: 45.92,100.33 46.94,99.31 46.94,64.46 45.05,62.57 39.84,62.57 Q10.2 41.4,60.93 41.4,59.92 D33.2 41.15,59.82 39.3,57.97 39.3,46.82 C18.1
Net-(D34-A): length 7.4
  Bottom w0.8: D34.2 17.65,52.07 D35.1
Net-(D35-A): length 3
  Bottom w0.8: D35.2 D36.1
Net-(D36-A): length 63.6
  Bottom w0.8: 16.42,61.7 17.65,60.47 D36.2 17.4,59.82 15.3,57.72 15.3,47.07 C19.1 ; 16.42,61.7 17.3,62.57 ; 16.42,61.7 15.82,62.3 Q14.2 15.86,62.57 17.3,62.57 ; 22.17,100.33 22.81,99.69 22.81,64.33 21.05,62.57 17.3,62.57
Net-(Q1-C): length 7.1
  Bottom w0.8: R3.2 96.22,115.44 Q1.3
Net-(Q2-C): length 7.8
  Bottom w0.8: 88.21,68.58 90.12,68.58 R36.2 C8.2
Net-(Q3-B): length 29.6
  Bottom w0.8: R4.2 86.82,97.84 C15.1 89.48,97.79 92.02,95.25 ; Q3.2 92.02,83.82 ; 92.02,83.82 C8.1 ; 92.02,83.82 R37.1
  Bottom w1: Q3.2 92.02,95.25
Net-(Q4-B): length 8.1
  Bottom w0.8: R6.1 77.42,93.98 Q4.2
Net-(Q5-E): length 17.6
  Bottom w0.8: Q5.3 80.8,66.57 80.8,56.08 78.06,53.34 R35.2 78.05,53.07 78.05,50.56
Net-(Q6-C): length 15.7
  Bottom w0.8: R34.2 66.62,70.48 64.72,68.58 ; R34.2 C9.2 ; R34.2 68.53,66.05 67.55,65.07 Q6.3
Net-(Q7-B): length 29.7
  Bottom w0.8: 68.53,83.82 Q7.2 68.53,97.92 R9.2 63.37,97.84 C14.1 ; 68.53,83.82 C9.1 ; 68.53,83.82 R38.1
Net-(Q8-B): length 7.8
  Bottom w0.8: Q8.2 54.05,93.22 54.05,100.33
Net-(Q9-E): length 17.5
  Bottom w0.8: 54.56,50.56 54.56,53.06 R33.1 54.3,53.71 57.1,56.51 57.1,66.81 Q9.3
Net-(Q10-C): length 14.8
  Bottom w0.8: R39.1 42.49,70.48 R32.2 ; R32.2 C10.1 ; R32.2 44.4,67.13 Q10.3
Net-(Q11-B): length 31.2
  Bottom w0.8: C10.2 44.4,83.18 ; 44.4,83.18 44.4,84.45 ; 44.4,83.18 43.76,83.82 ; 43.76,83.82 R39.2 ; 43.76,83.82 44.4,84.45 ; 44.4,84.45 44.4,97.92 41.99,100.33 39.24,97.58 C13.1
Net-(Q12-B): length 7.3
  Bottom w0.8: Q12.2 30.05,93.09 R15.2
Net-(Q13-E): length 18.1
  Bottom w0.8: 31.06,50.56 31.06,52.83 R31.2 31.06,53.34 33.6,55.88 33.6,66.56 Q13.3
Net-(Q14-C): length 14.1
  Bottom w0.8: C11.1 R30.2 ; R30.2 20.27,66.98 Q14.3 ; R30.2 19,70.48 R40.1
Net-(Q15-B): length 30.1
  Bottom w0.8: R40.2 20.27,83.82 ; 20.27,83.82 20.27,98.42 18.36,100.33 15.19,97.15 C12.1 ; 20.27,83.82 C11.2
Net-(Q16-B): length 7.3
  Bottom w0.8: Q16.2 5.92,92.96 R19.2
Net-(Q17-E): length 18
  Bottom w0.8: Q17.3 8.84,66.32 8.84,55.88 R29.2
  Bottom w1: R29.2 6.3,52.46 C7.2
unconnected-(J1-Pin_33-Pad33): length 5.1
  Bottom w1: 20.27,10.79 20.27,15.88
unconnected-(J1-Pin_34-Pad34): length 5.1
  Bottom w1: 17.73,8.25 17.73,13.33
